# Altium PCB miniBackplane.PcbDoc (part 17 of 24) (continued)
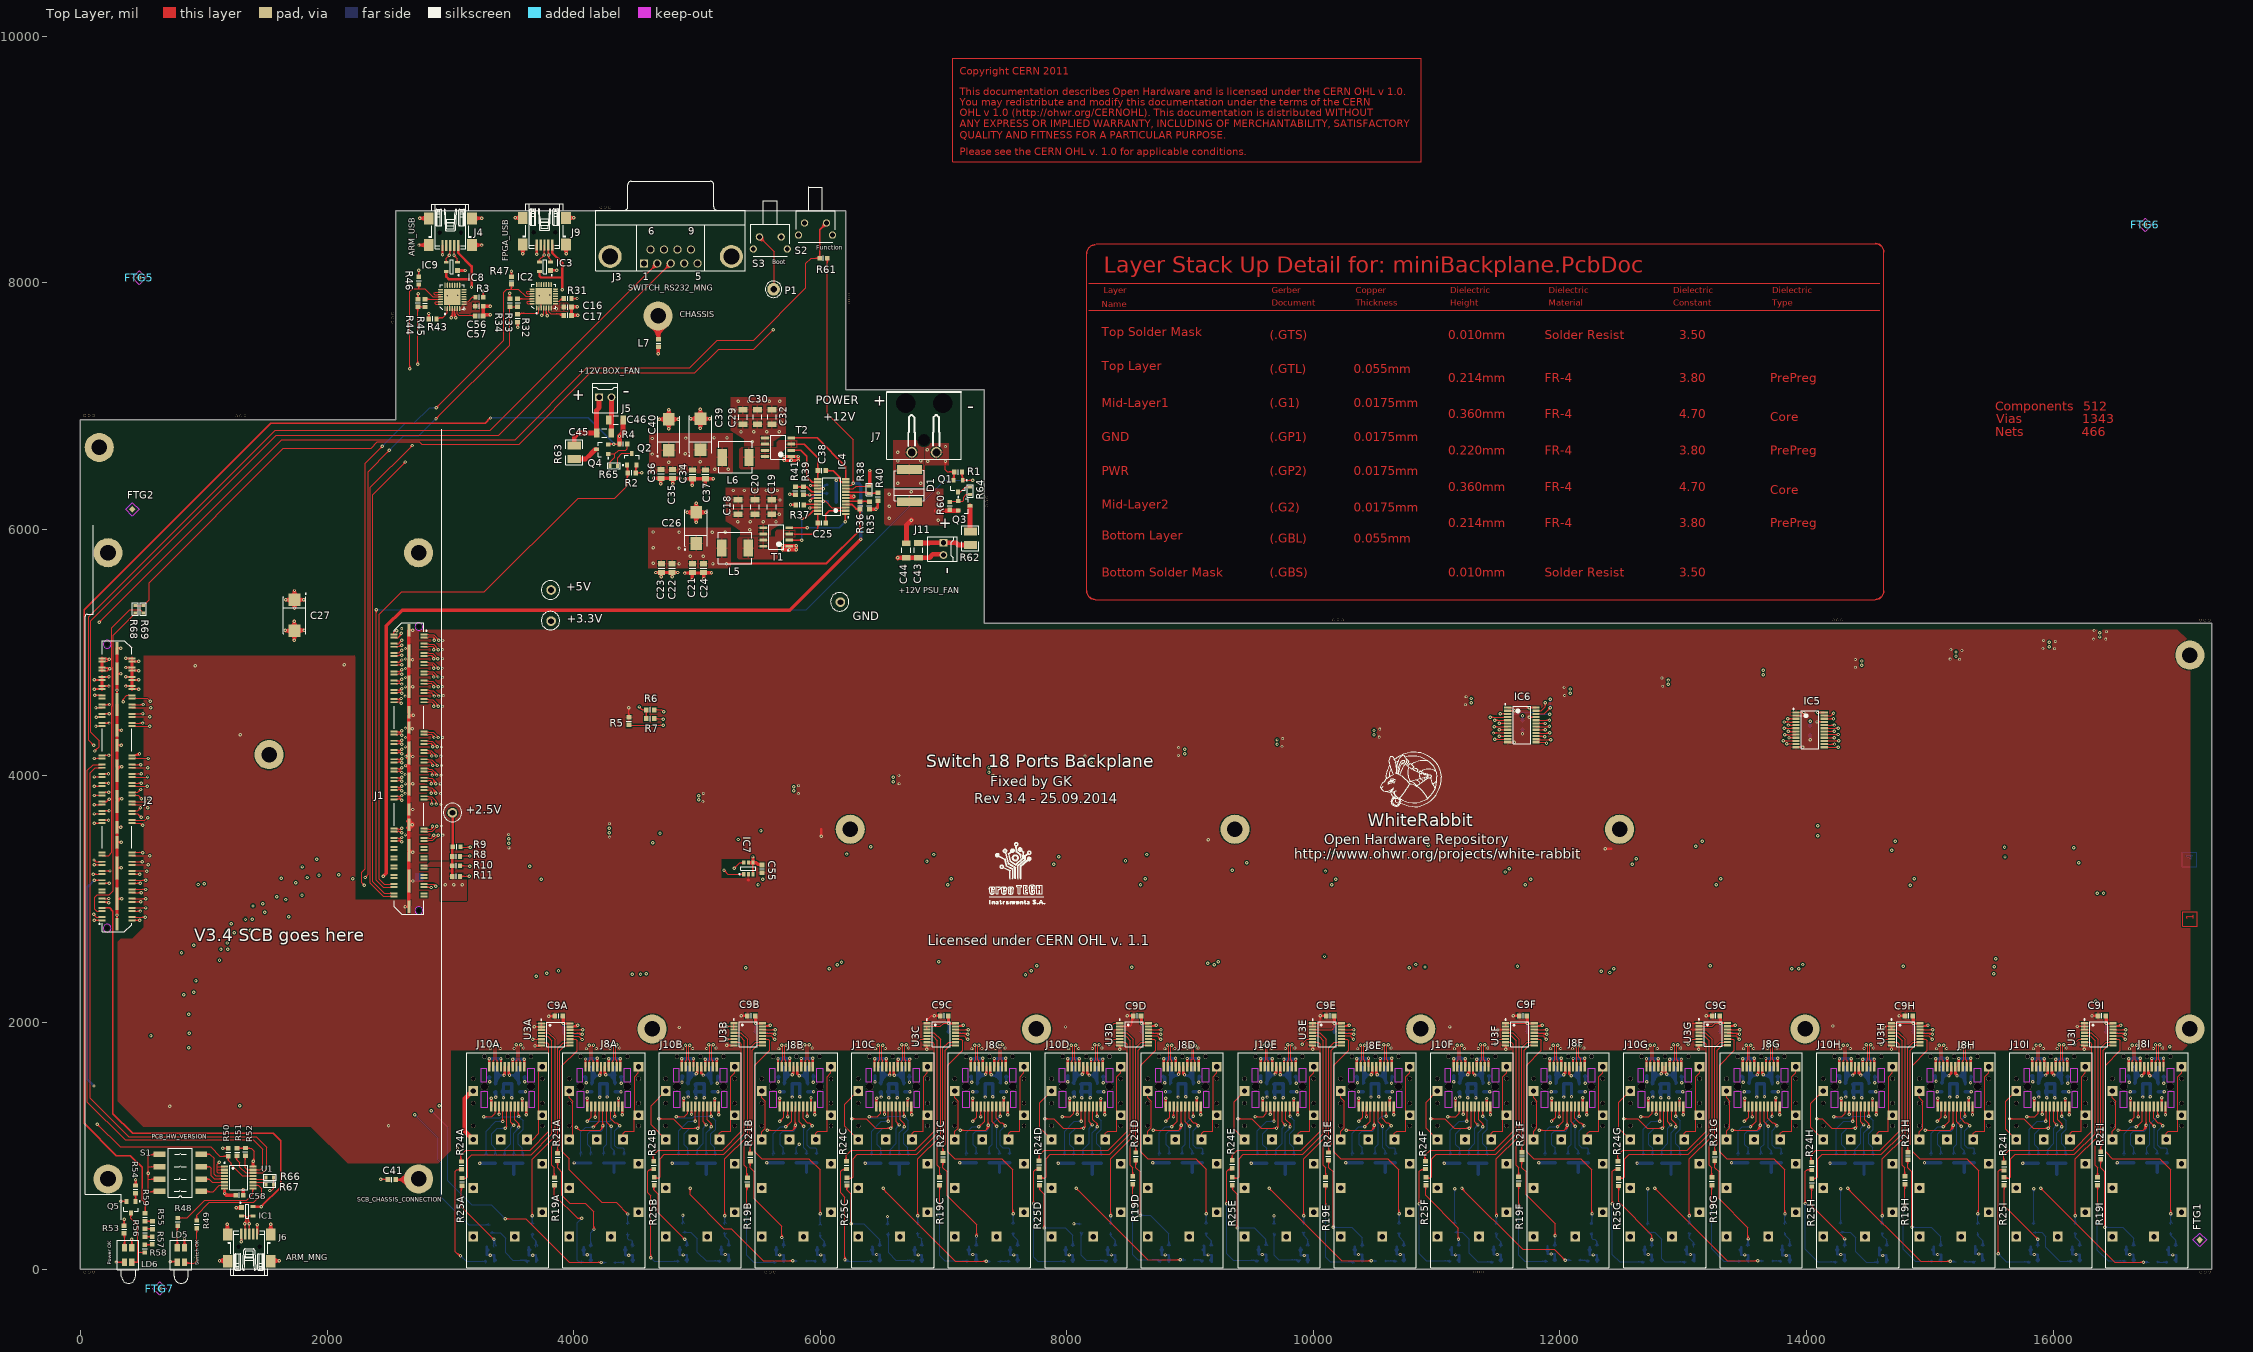
[diagram p0: Top Layer view]
## Nets (pads, with @x,y where several pads share a name; then routed paths per layer and width w, separated by ;. In a path a pad name is that pad's centre, name@x,y a point inside that pad or via, vN(x,y) a via of type N, cw(c..) or ccw(c..) an arc to the next point about the centre after c; other vN are vias at no path point) (continued)
MGTTX116_1_N: J1.72 J10A.19 | length 3320.5
  Top Layer w9.84: J1.72@2562.99,3472.49 2575.71,3472.49 2578.22,3475 ; v1(2605.71,3465.16) 2595.87,3475 ; v1(3345.98,1813.9) 3355.83,1804.06 ; J10A.19@3347.95,1667.64 3347.95,1688.9 3355.83,1696.77 3355.83,1804.06 ; 2578.22,3475 cw(c2571.79,3481.42) 2565.7,3474.68 ccw(c2571.79,3481.42) 2578.22,3475 ; 2578.22,3475 cw(c2578.22,3454.3) 2597.47,3461.9 ccw(c2578.22,3454.3) 2578.22,3475 ; 2578.22,3475 2595.87,3475 ; 2595.87,3475 ccw(c2600.47,3479.6) 2602.69,3473.48 cw(c2600.47,3479.6) 2595.87,3475 ; 2595.87,3475 cw(c2591.27,3470.4) 2597.38,3468.18 ccw(c2591.27,3470.4) 2595.87,3475 ; 3347.95,1682.63 ccw(c3359.83,1682.63) 3351.43,1674.23 cw(c3359.83,1682.63) 3347.95,1682.63 ; 3347.95,1682.63 cw(c3336.07,1682.63) 3344.47,1674.23 ccw(c3336.07,1682.63) 3347.95,1682.63 ; 3355.83,1804.06 ccw(c3351.23,1799.45) 3349.01,1805.57 cw(c3351.23,1799.45) 3355.83,1804.06 ; 3355.83,1804.06 cw(c3360.43,1808.66) 3354.31,1810.88 ccw(c3360.43,1808.66) 3355.83,1804.06 ; 2592.69,3475 cw(c2592.69,3460.01) 2606.62,3465.52 ccw(c2592.69,3460.01) 2592.69,3475
  Mid-Layer 2 w7.09: v1(2605.71,3465.16) 2615.55,3475 3299.03,3475 3355.83,3418.2 3355.83,1823.74 v1(3345.98,1813.9) v1@3345.98,1813.14 ; v1@2607.88,3467.44 ccw(c2618.2,3478.31) 2625.74,3465.35 ; v1@2611.75,3473.42 ccw(c2618.86,3483.16) 2624.89,3472.72 ; v1@2612.76,3472.58 ccw(c2624.99,3485.46) 2633.92,3470.1 ; v1@2615.6,3462.51 cw(c2629.43,3458.8) 2622.27,3471.21 ; v1@3343.33,1823.79 ccw(c3339.63,1837.62) 3352.03,1830.46 ; 3346.17,1833.92 ccw(c3359.14,1826.39) v1@3348.27,1816.07 ; 3350.93,1842.11 ccw(c3366.29,1833.18) v1@3353.41,1820.95 ; 3353.54,1833.08 ccw(c3363.99,1827.05) v1@3354.25,1819.94 ; v1@2602.92,3467.94 cw(c2619.97,3450.9) 2619.97,3475 ccw(c2619.97,3450.9) v1@2602.92,3467.94 ; v1@2607.94,3462.93 cw(c2637.07,3433.79) 2637.07,3475 ccw(c2637.07,3433.79) v1@2607.94,3462.93 ; v1@2612.95,3457.92 cw(c2654.18,3416.68) 2654.18,3475 ccw(c2654.18,3416.68) v1@2612.95,3457.92 ; v1@3338.75,1821.14 ccw(c3297.51,1862.37) 3355.83,1862.37 cw(c3297.51,1862.37) v1@3338.75,1821.14 ; v1@3343.76,1816.12 ccw(c3314.62,1845.26) 3355.83,1845.26 cw(c3314.62,1845.26) v1@3343.76,1816.12 ; v1@3348.77,1811.11 ccw(c3331.73,1828.15) 3355.83,1828.15 cw(c3331.73,1828.15) v1@3348.77,1811.11
MGTTX116_1_P: J1.70 J10A.18 | length 3373.7
  Top Layer w9.84: J1.70@2562.99,3497.49 2575.71,3497.49 ; 2575.71,3495.75 2580.71,3490.75 ; v1(2605.71,3500.59) 2595.87,3490.75 ; J10A.18@3379.45,1667.64 3379.45,1688.9 3371.57,1696.77 3371.57,1804.06 ; v1(3381.42,1813.9) 3371.57,1804.06 ; 2580.71,3490.75 ccw(c2569.43,3479.47) 2564.61,3494.68 cw(c2569.43,3479.47) 2580.71,3490.75 ; 2580.71,3490.75 ccw(c2580.71,3507.95) 2597.21,3503.09 cw(c2580.71,3507.95) 2580.71,3490.75 ; 2580.71,3490.75 2595.87,3490.75 ; 2595.87,3490.75 ccw(c2591.27,3495.35) 2597.38,3497.57 cw(c2591.27,3495.35) 2595.87,3490.75 ; 2595.87,3490.75 cw(c2600.47,3486.15) 2602.69,3492.26 ccw(c2600.47,3486.15) 2595.87,3490.75 ; 3371.58,1804.06 ccw(c3366.97,1808.66) 3373.09,1810.88 cw(c3366.97,1808.66) 3371.58,1804.06 ; 3371.58,1804.06 cw(c3376.18,1799.45) 3378.4,1805.57 ccw(c3376.18,1799.45) 3371.58,1804.06 ; 3379.45,1682.63 ccw(c3391.33,1682.63) 3382.93,1674.23 cw(c3391.33,1682.63) 3379.45,1682.63 ; 3379.45,1682.63 cw(c3367.57,1682.63) 3375.97,1674.23 ccw(c3367.57,1682.63) 3379.45,1682.63 ; 2593.87,3490.75 ccw(c2593.87,3504.08) 2606.65,3500.31 cw(c2593.87,3504.08) 2593.87,3490.75
  Mid-Layer 2 w7.09: v1(2605.71,3500.59) 2615.55,3490.75 3304.53,3490.75 3371.57,3423.7 3371.57,1823.74 v1(3381.42,1813.9) ; v1@2607.88,3498.31 cw(c2618.2,3487.43) 2625.74,3500.4 ; v1@2611.75,3492.33 cw(c2618.86,3482.59) 2624.89,3493.03 ; v1@2612.76,3493.17 cw(c2624.99,3480.29) 2633.92,3495.65 ; v1@2615.6,3503.24 ccw(c2629.43,3506.95) 2622.27,3494.54 ; v1@3373.15,1819.94 ccw(c3363.42,1827.05) 3373.86,1833.08 ; v1@3374,1820.95 ccw(c3361.11,1833.18) 3376.48,1842.11 ; 3375.37,1830.46 ccw(c3387.77,1837.62) v1@3384.07,1823.79 ; v1@3379.13,1816.07 ccw(c3368.26,1826.39) 3381.23,1833.92 ; v1(3381.42,1813.9) 3373.03,1822.28 3373.03,1823.01 3372.3,1823.74 v1(3381.42,1813.9) ; v1@2602.92,3497.81 ccw(c2619.97,3514.85) 2619.97,3490.75 cw(c2619.97,3514.85) v1@2602.92,3497.81 ; v1@2607.94,3502.82 ccw(c2637.07,3531.96) 2637.07,3490.75 cw(c2637.07,3531.96) v1@2607.94,3502.82 ; v1@2612.95,3507.83 ccw(c2654.18,3549.07) 2654.18,3490.75 cw(c2654.18,3549.07) v1@2612.95,3507.83 ; 3371.57,1828.15 ccw(c3395.67,1828.15) 3378.63,1811.11 cw(c3395.67,1828.15) 3371.57,1828.15 ; 3371.57,1845.26 ccw(c3412.78,1845.26) 3383.64,1816.12 cw(c3412.78,1845.26) 3371.57,1845.26 ; 3371.57,1862.37 ccw(c3429.89,1862.37) 3388.66,1821.14 cw(c3429.89,1862.37) 3371.57,1862.37
MGTTX116_2_N: J1.76
MGTTX116_2_P: J1.74
MGTTX116_3_N: J1.80
MGTTX116_3_P: J1.78
NetC3A_2: C3A.2 C4A.1 J8A.16 L1A.1 | length 1109.8
  Top Layer w19.68: v1@4211.74,1574.03 4222.44,1584.73 J8A.16@4222.44,1641.22 ; v1@4216.42,1574.17 cw(c4238.14,1579.99) 4218.66,1591.23 ; v1@4209.83,1575.93 ccw(c4179.39,1606.38) 4222.44,1606.38 cw(c4179.39,1606.38) v1@4209.83,1575.93
  Bottom Layer w7.87: C3A.2@4144.67,1645.46 C3A.2@4148.17,1641.96
  Bottom Layer w19.68: C3A.2@4141.22,1637.79 cw(c4127.93,1614.76) 4153.62,1621.64 ; L1A.1@4148.17,1501.96 C3A.2@4148.17,1641.96 ; 4154.15,1526.83 ccw(c4122.55,1545.56) C4A.1@4155.62,1561.55 ; 4154.37,1615.38 cw(c4129.88,1599.05) C4A.1@4155.83,1585.15 ; C4A.1@4157.5,1566.96 v1@4204.67,1566.96 ; 4198,1569.1 cw(c4204.93,1557.1) v1@4210.91,1569.6 ; L1A.1@4144.24,1510.75 ccw(c4132.86,1530.44) 4154.83,1524.56 ; L1A.1@4144.24,1510.75 ccw(c4132.86,1530.44) 4154.83,1524.56 ; L1A.1@4144.24,1510.75 ccw(c4132.86,1530.44) 4154.83,1524.56 ; 4148.17,1522.94 ccw(c4167.18,1522.94) 4153.74,1509.5 cw(c4167.18,1522.94) 4148.17,1522.94 ; 4148.17,1522.94 cw(c4129.16,1522.94) 4142.61,1509.5 ccw(c4129.16,1522.94) 4148.17,1522.94 ; C3A.2@4148.17,1641.96 ccw(c4219.76,1641.96) 4172.52,1588.17 cw(c4219.76,1641.96) C3A.2@4148.17,1641.96 ; C3A.2@4139.39,1639.2 cw(c4118.18,1618) 4148.17,1618 ccw(c4118.18,1618) C3A.2@4139.39,1639.2 ; L1A.1@4148.17,1499.7 cw(c4230.39,1499.7) 4172.94,1558.52 ccw(c4230.39,1499.7) L1A.1@4148.17,1499.7 ; C4A.1@4148.17,1546.46 cw(c4184.72,1546.46) 4159.18,1572.6 ccw(c4184.72,1546.46) C4A.1@4148.17,1546.46 ; C4A.1@4148.17,1598.46 ccw(c4181.56,1598.46) 4159.52,1573.38 cw(c4181.56,1598.46) C4A.1@4148.17,1598.46 ; C4A.1@4173.03,1558.6 cw(c4193.2,1538.43) 4193.2,1566.96 ccw(c4193.2,1538.43) C4A.1@4173.03,1558.6 ; C4A.1@4173.03,1573.92 ccw(c4189.82,1590.71) 4189.82,1566.96 cw(c4189.82,1590.71) C4A.1@4173.03,1573.92 ; 4188.17,1566.96 ccw(c4188.17,1597.6) 4209.83,1575.93 cw(c4188.17,1597.6) 4188.17,1566.96
  other v1: 4212.61,1573.15
NetC3B_2: C3B.2 C4B.1 J8B.16 L1B.1 | length 1246.4
  Top Layer w19.68: v1(5775.01,1577.5) 5783.9,1586.39 J8B.16@5783.9,1642.87 ; v1@5778.81,1578.52 cw(c5800.54,1584.34) 5781.06,1595.58 ; v1@5772.23,1580.28 ccw(c5744.05,1608.46) 5783.9,1608.46 cw(c5744.05,1608.46) v1@5772.23,1580.28
  Bottom Layer w19.68: L1B.1@5707.62,1503.61 C3B.2@5707.62,1633.61 ; 5711.03,1555.39 cw(c5721.09,1546.95) C4B.1@5727.45,1558.44 ; 5711.62,1618.69 cw(c5742.18,1626.87) C3B.2@5714.78,1642.69 ; 5714.87,1607.36 cw(c5703.09,1590.96) C4B.1@5722.36,1584.93 ; 5715.68,1531.33 ccw(c5688.48,1554.12) C4B.1@5722.36,1564.69 ; C4B.1@5727.07,1568.61 5735.96,1577.5 v1(5775.01,1577.5) ; L1B.1@5705.69,1512.4 ccw(c5696.55,1528.24) 5714.22,1523.51 ; L1B.1@5705.69,1512.4 ccw(c5696.55,1528.24) 5714.22,1523.51 ; L1B.1@5705.69,1512.4 ccw(c5696.55,1528.24) 5714.22,1523.51 ; C3B.2@5707.62,1633.61 ccw(c5752.29,1633.61) 5736.52,1591.82 cw(c5752.29,1633.61) C3B.2@5707.62,1633.61 ; 5714.48,1524.49 ccw(c5733.53,1519.38) L1B.1@5716.45,1509.52 ; 5714.48,1524.49 ccw(c5733.53,1519.38) L1B.1@5716.45,1509.52 ; 5714.48,1524.49 ccw(c5733.53,1519.38) L1B.1@5716.45,1509.52 ; 5759.35,1575.89 cw(c5764.02,1558.46) v1@5773.04,1574.09 ; 5759.35,1575.89 cw(c5764.02,1558.46) v1@5773.04,1574.09 ; 5759.35,1575.89 cw(c5764.02,1558.46) v1@5773.04,1574.09 ; C3B.2@5700.85,1640.85 cw(c5684.49,1624.5) 5707.62,1624.5 ccw(c5684.49,1624.5) C3B.2@5700.85,1640.85 ; L1B.1@5707.62,1498.9 cw(c5781.08,1498.9) 5738.91,1559.05 ccw(c5781.08,1498.9) L1B.1@5707.62,1498.9 ; 5707.62,1529.44 ccw(c5733.49,1529.44) 5715.2,1511.15 cw(c5733.49,1529.44) 5707.62,1529.44 ; 5707.62,1536.75 cw(c5754.55,1536.75) 5727.61,1575.17 ccw(c5754.55,1536.75) 5707.62,1536.75 ; 5707.62,1574.59 cw(c5728.01,1574.59) 5716.31,1591.28 ccw(c5728.01,1574.59) 5707.62,1574.59 ; 5707.62,1576.67 ccw(c5730.8,1576.67) 5722.61,1554.99 cw(c5730.8,1576.67) 5707.62,1576.67 ; 5707.62,1605.14 ccw(c5741.54,1605.14) 5729.56,1573.41 cw(c5741.54,1605.14) 5707.62,1605.14 ; 5707.62,1626.97 cw(c5727.26,1626.97) 5713.37,1640.85 ccw(c5727.26,1626.97) 5707.62,1626.97 ; C4B.1@5740.35,1567.15 cw(c5765.34,1542.15) 5765.34,1577.5 ccw(c5765.34,1542.15) C4B.1@5740.35,1567.15
NetC3C_2: C3C.2 C4C.1 J8C.16 L1C.1 | length 1246.3
  Top Layer w19.68: v1(7341.25,1578.75) 7348.9,1586.39 J8C.16@7348.9,1642.88 ; v1@7344.99,1579.99 cw(c7363.18,1586.01) 7346.59,1595.59 ; v1@7338.47,1581.53 ccw(c7313.29,1606.71) 7348.9,1606.71 cw(c7313.29,1606.71) v1@7338.47,1581.53
  Bottom Layer w19.68: L1C.1@7272.62,1503.62 C3C.2@7272.62,1633.62 ; 7276.62,1618.69 cw(c7307.18,1626.88) C3C.2@7279.78,1642.7 ; 7279.7,1607.93 cw(c7267.56,1592.79) C4C.1@7285.61,1585.67 ; 7280.12,1530.76 ccw(c7252.16,1552.43) C4C.1@7285.48,1564.29 ; C4C.1@7294,1568.62 7331.13,1568.62 v1(7341.25,1578.75) ; 7323.17,1572.7 cw(c7334.41,1553.22) v1@7340.23,1574.95 ; L1C.1@7270.69,1512.41 ccw(c7261.86,1527.71) L1C.1@7278.93,1523.14 ; L1C.1@7270.69,1512.41 ccw(c7261.86,1527.71) L1C.1@7278.93,1523.14 ; L1C.1@7270.69,1512.41 ccw(c7261.86,1527.71) L1C.1@7278.93,1523.14 ; C3C.2@7272.62,1633.62 ccw(c7318.51,1633.62) 7300.04,1591.61 cw(c7318.51,1633.62) C3C.2@7272.62,1633.62 ; 7279.42,1524.97 ccw(c7299.07,1519.7) L1C.1@7281.45,1509.53 ; 7279.42,1524.97 ccw(c7299.07,1519.7) L1C.1@7281.45,1509.53 ; 7279.42,1524.97 ccw(c7299.07,1519.7) L1C.1@7281.45,1509.53 ; C3C.2@7265.85,1640.86 cw(c7249.49,1624.5) 7272.62,1624.5 ccw(c7249.49,1624.5) C3C.2@7265.85,1640.86 ; L1C.1@7272.62,1499.61 cw(c7347.58,1499.61) 7302.23,1559.3 ccw(c7347.58,1499.61) L1C.1@7272.62,1499.61 ; 7272.62,1529.45 ccw(c7298.49,1529.45) 7280.2,1511.16 cw(c7298.49,1529.45) 7272.62,1529.45 ; 7272.62,1539.29 cw(c7317.44,1539.29) 7290.33,1574.97 ccw(c7317.44,1539.29) 7272.62,1539.29 ; 7272.62,1573.31 ccw(c7291.99,1573.31) 7284.2,1555.57 cw(c7291.99,1573.31) 7272.62,1573.31 ; 7272.62,1578.97 cw(c7287.29,1578.97) 7278.42,1590.65 ccw(c7287.29,1578.97) 7272.62,1578.97 ; 7272.62,1603.46 ccw(c7305.25,1603.46) 7292.12,1573.59 cw(c7305.25,1603.46) 7272.62,1603.46 ; 7272.62,1626.98 cw(c7292.26,1626.98) 7278.37,1640.86 ccw(c7292.26,1626.98) 7272.62,1626.98 ; C4C.1@7303.34,1560.27 cw(c7323.51,1540.09) 7323.51,1568.62 ccw(c7323.51,1540.09) C4C.1@7303.34,1560.27 ; C4C.1@7303.34,1575.58 ccw(c7320.13,1592.37) 7320.13,1568.62 cw(c7320.13,1592.37) C4C.1@7303.34,1575.58 ; C4C.1@7307.3,1568.62 ccw(c7307.3,1612.7) 7338.47,1581.53 cw(c7307.3,1612.7) C4C.1@7307.3,1568.62
NetC3D_2: C3D.2 C4D.1 J8D.16 L1D.1 | length 1194.6
  Top Layer w19.68: v1(8906.25,1578.75) 8913.9,1586.39 J8D.16@8913.9,1642.88 ; v1@8909.99,1579.99 cw(c8928.18,1586.01) 8911.59,1595.59 ; v1@8903.47,1581.53 ccw(c8878.29,1606.71) 8913.9,1606.71 cw(c8878.29,1606.71) v1@8903.47,1581.53
  Bottom Layer w19.68: 8835.56,1577.19 ccw(c8859.2,1583.52) C4D.1@8858.38,1559.07 ; L1D.1@8837.62,1503.62 C3D.2@8837.62,1633.62 ; 8841.62,1618.69 cw(c8872.18,1626.88) C3D.2@8844.78,1642.7 ; 8844.47,1608.5 cw(c8831.88,1594.46) C4D.1@8848.9,1586.36 ; 8844.57,1530.1 ccw(c8815.64,1550.71) C4D.1@8848.62,1563.9 ; C4D.1@8856.99,1568.62 8896.13,1568.62 v1(8906.25,1578.75) ; 8888.17,1572.7 cw(c8899.41,1553.22) v1@8905.23,1574.95 ; C3D.2@8837.62,1633.62 ccw(c8885.01,1633.62) 8863.57,1591.36 cw(c8885.01,1633.62) C3D.2@8837.62,1633.62 ; 8844.36,1525.41 ccw(c8864.57,1519.99) L1D.1@8846.45,1509.53 ; 8844.36,1525.41 ccw(c8864.57,1519.99) L1D.1@8846.45,1509.53 ; 8844.36,1525.41 ccw(c8864.57,1519.99) L1D.1@8846.45,1509.53 ; C3D.2@8830.85,1640.86 cw(c8814.49,1624.5) 8837.62,1624.5 ccw(c8814.49,1624.5) C3D.2@8830.85,1640.86 ; L1D.1@8837.62,1500.27 cw(c8914.52,1500.27) 8865.57,1559.57 ccw(c8914.52,1500.27) L1D.1@8837.62,1500.27 ; 8837.62,1529.45 ccw(c8863.49,1529.45) 8845.2,1511.16 cw(c8863.49,1529.45) 8837.62,1529.45 ; 8837.62,1542.04 cw(c8880.04,1542.04) 8853.04,1574.75 ccw(c8880.04,1542.04) 8837.62,1542.04 ; 8837.62,1569.51 ccw(c8852.49,1569.51) 8845.77,1556.24 cw(c8852.49,1569.51) 8837.62,1569.51 ; 8837.62,1583.81 cw(c8845.56,1583.81) 8840.51,1589.93 ccw(c8845.56,1583.81) 8837.62,1583.81 ; 8837.62,1601.56 ccw(c8868.75,1601.56) 8854.67,1573.8 cw(c8868.75,1601.56) 8837.62,1601.56 ; 8837.62,1626.98 cw(c8857.26,1626.98) 8843.37,1640.86 ccw(c8857.26,1626.98) 8837.62,1626.98 ; C4D.1@8866.33,1560.27 cw(c8886.51,1540.09) 8886.51,1568.62 ccw(c8886.51,1540.09) C4D.1@8866.33,1560.27 ; C4D.1@8866.33,1575.58 ccw(c8883.12,1592.37) 8883.12,1568.62 cw(c8883.12,1592.37) C4D.1@8866.33,1575.58 ; C4D.1@8872.3,1568.62 ccw(c8872.3,1612.7) 8903.47,1581.53 cw(c8872.3,1612.7) C4D.1@8872.3,1568.62
NetC3E_2: C3E.2 C4E.1 J8E.16 L1E.1 | length 1049.5
  Top Layer w19.68: v1(10468.91,1574.81) 10467.31,1574.81 10478.9,1586.39 J8E.16@10478.9,1642.88 ; v1@10472.72,1575.83 cw(c10494.44,1581.65) 10474.96,1592.89 ; v1@10466.13,1577.59 ccw(c10435.3,1608.42) 10478.9,1608.42 cw(c10435.3,1608.42) v1@10466.13,1577.59
  Bottom Layer w7.87: C4E.1@10421.67,1566.94 C4E.1@10429.54,1574.81
  Bottom Layer w19.68: L1E.1@10402.62,1503.62 C3E.2@10402.62,1633.62 ; 10406.62,1618.69 cw(c10437.18,1626.88) C3E.2@10409.78,1642.7 ; 10409.05,1529.32 ccw(c10378.88,1548.94) C4E.1@10411.77,1563.53 ; 10409.19,1609.09 cw(c10396.05,1596.03) C4E.1@10412.22,1586.99 ; C4E.1@10429.54,1574.81 v1(10468.91,1574.81) ; C3E.2@10402.62,1633.62 ccw(c10451.85,1633.62) 10427.11,1591.06 cw(c10451.85,1633.62) C3E.2@10402.62,1633.62 ; 10409.31,1525.81 ccw(c10430.03,1520.25) L1E.1@10411.45,1509.53 ; 10409.31,1525.81 ccw(c10430.03,1520.25) L1E.1@10411.45,1509.53 ; 10409.31,1525.81 ccw(c10430.03,1520.25) L1E.1@10411.45,1509.53 ; 10447.81,1574.81 ccw(c10447.81,1548.67) 10429.33,1567.16 cw(c10447.81,1548.67) 10447.81,1574.81 ; 10447.81,1574.81 cw(c10447.81,1600.95) 10429.33,1582.47 ccw(c10447.81,1600.95) 10447.81,1574.81 ; C3E.2@10395.85,1640.86 cw(c10379.49,1624.5) 10402.62,1624.5 ccw(c10379.49,1624.5) C3E.2@10395.85,1640.86 ; L1E.1@10402.62,1500.86 cw(c10481.99,1500.86) 10428.91,1559.87 ccw(c10481.99,1500.86) L1E.1@10402.62,1500.86 ; 10402.62,1529.45 ccw(c10428.49,1529.45) 10410.2,1511.16 cw(c10428.49,1529.45) 10402.62,1529.45 ; 10402.62,1545.05 cw(c10442.24,1545.05) 10415.75,1574.51 ccw(c10442.24,1545.05) 10402.62,1545.05 ; C4E.1@10402.62,1565.2 ccw(c10412.08,1565.2) 10407.33,1557.02 cw(c10412.08,1565.2) C4E.1@10402.62,1565.2 ; C4E.1@10402.62,1599.41 ccw(c10431.96,1599.41) 10417.22,1574.04 cw(c10431.96,1599.41) C4E.1@10402.62,1599.41 ; 10402.62,1626.98 cw(c10422.26,1626.98) 10408.37,1640.86 ccw(c10422.26,1626.98) 10402.62,1626.98
NetC3F_2: C3F.2 C4F.1 J8F.16 L1F.1 | length 1335.2
  Top Layer w19.68: v1(12031.88,1574.81) 12043.46,1586.39 J8F.16@12043.46,1642.88 ; v1@12035.68,1575.83 cw(c12057.41,1581.65) 12037.93,1592.89 ; v1@12029.1,1577.59 ccw(c11994.41,1612.28) 12043.46,1612.28 cw(c11994.41,1612.28) v1@12029.1,1577.59
  Bottom Layer w7.87: L1F.1@11965.69,1507.13 L1F.1@11969.2,1503.62
  Bottom Layer w19.68: C3F.2@11962.25,1639.45 cw(c11953.18,1623.75) C3F.2@11970.7,1628.44 ; 11963.23,1578.97 ccw(c11989.21,1585.93) C4F.1@11987.65,1559.08 ; 11963.26,1570.65 cw(c11989.24,1563.69) C4F.1@11987.64,1590.54 ; L1F.1@11965.69,1507.13 C3F.2@11965.69,1647.13 ; C4F.1@11969.2,1568.62 v1@12025.69,1568.62 ; 11971.89,1624 cw(c11995.68,1630.38) C3F.2@11974.35,1642.7 ; 11973.16,1533.16 ccw(c11949.26,1552.78) C4F.1@11978.08,1564 ; 11973.14,1616.92 cw(c11948.49,1597) C4F.1@11978.06,1585.6 ; 12017.27,1570.76 cw(c12024.19,1558.76) v1@12030.18,1571.26 ; 11965.69,1625.74 ccw(c11944.31,1625.74) 11959.43,1640.86 cw(c11944.31,1625.74) 11965.69,1625.74 ; 11965.69,1625.74 cw(c11987.08,1625.74) 11971.96,1640.86 ccw(c11987.08,1625.74) 11965.69,1625.74 ; 11973.18,1531.06 ccw(c12000.59,1523.71) L1F.1@11976.02,1509.53 ; 11973.18,1531.06 ccw(c12000.59,1523.71) L1F.1@11976.02,1509.53 ; 11973.18,1531.06 ccw(c12000.59,1523.71) L1F.1@11976.02,1509.53 ; L1F.1@11965.69,1503.11 cw(c12034.59,1503.11) 11994.47,1559.12 ccw(c12034.59,1503.11) L1F.1@11965.69,1503.11 ; 11965.69,1533.06 ccw(c11996.67,1533.06) 11974.76,1511.16 cw(c11996.67,1533.06) 11965.69,1533.06 ; 11965.69,1541.42 cw(c12007.15,1541.42) 11983.01,1575.12 ccw(c12007.15,1541.42) 11965.69,1541.42 ; 11965.69,1569.77 ccw(c11979.49,1569.77) 11971.37,1558.62 cw(c11979.49,1569.77) 11965.69,1569.77 ; 11965.69,1579.74 cw(c11979.7,1579.74) 11971.54,1591.13 ccw(c11979.7,1579.74) 11965.69,1579.74 ; 11965.69,1608.45 ccw(c12007.63,1608.45) 11982.95,1574.54 cw(c12007.63,1608.45) 11965.69,1608.45 ; C3F.2@11965.69,1647.13 ccw(c12035.78,1647.12) 11994.54,1590.45 cw(c12035.78,1647.12) C3F.2@11965.69,1647.13 ; C4F.1@11995.82,1560.27 cw(c12015.99,1540.09) 12015.99,1568.62 ccw(c12015.99,1540.09) C4F.1@11995.82,1560.27 ; C4F.1@11995.82,1575.58 ccw(c12012.61,1592.37) 12012.61,1568.62 cw(c12012.61,1592.37) C4F.1@11995.82,1575.58 ; C4F.1@12007.44,1568.62 ccw(c12007.44,1599.26) 12029.1,1577.59 cw(c12007.44,1599.26) C4F.1@12007.44,1568.62
NetC3G_2: C3G.2 C4G.1 J8G.16 L1G.1 | length 1100.4
  Top Layer w19.68: v1(13602.34,1574.81) 13596.88,1574.81 13608.46,1586.39 J8G.16@13608.46,1642.88 ; v1@13605.88,1576.53 cw(c13618.15,1582.51) 13606.33,1589.33 ; v1@13599.55,1577.59 ccw(c13578.04,1599.11) 13608.46,1599.11 cw(c13578.04,1599.11) v1@13599.55,1577.59
  Bottom Layer w7.87: C3G.2@13530.69,1647.13 C3G.2@13534.2,1643.62
  Bottom Layer w19.68: C3G.2@13527.25,1639.45 cw(c13513.95,1616.42) 13539.64,1623.3 ; L1G.1@13534.2,1503.62 C3G.2@13534.2,1643.62 ; 13540.11,1528.37 ccw(c13508.31,1547) C4G.1@13541.43,1563.17 ; 13540.33,1617.18 cw(c13515.63,1600.93) C4G.1@13541.64,1586.85 ; C4G.1@13547.22,1568.62 13596.15,1568.62 v1(13602.34,1574.81) ; 13587.72,1570.76 cw(c13594.65,1558.76) v1@13600.64,1571.26 ; L1G.1@13530.26,1512.41 ccw(c13518.92,1532.06) 13540.83,1526.19 ; L1G.1@13530.26,1512.41 ccw(c13518.92,1532.06) 13540.83,1526.19 ; L1G.1@13530.26,1512.41 ccw(c13518.92,1532.06) 13540.83,1526.19 ; 13534.2,1524.6 ccw(c13553.21,1524.6) 13539.76,1511.16 cw(c13553.21,1524.6) 13534.2,1524.6 ; 13534.2,1524.6 cw(c13515.19,1524.6) 13528.63,1511.16 ccw(c13515.19,1524.6) 13534.2,1524.6 ; C3G.2@13534.2,1643.62 ccw(c13606.25,1643.62) 13558.35,1589.79 cw(c13606.25,1643.62) C3G.2@13534.2,1643.62 ; C3G.2@13525.41,1640.86 cw(c13504.21,1619.66) 13534.2,1619.66 ccw(c13504.21,1619.66) C3G.2@13525.41,1640.86 ; L1G.1@13534.2,1501.43 cw(c13616.82,1501.43) 13558.77,1560.22 ccw(c13616.82,1501.43) L1G.1@13534.2,1501.43 ; C4G.1@13534.2,1548.53 cw(c13570.31,1548.53) 13544.93,1574.22 ccw(c13570.31,1548.53) C4G.1@13534.2,1548.53 ; C4G.1@13534.2,1599.76 ccw(c13567.22,1599.76) 13545.27,1575.08 cw(c13567.22,1599.76) C4G.1@13534.2,1599.76 ; C4G.1@13558.81,1560.27 cw(c13578.99,1540.09) 13578.99,1568.62 ccw(c13578.99,1540.09) C4G.1@13558.81,1560.27 ; C4G.1@13558.81,1575.58 ccw(c13575.6,1592.37) 13575.6,1568.62 cw(c13575.6,1592.37) C4G.1@13558.81,1575.58 ; 13577.89,1568.62 ccw(c13577.89,1599.26) 13599.55,1577.59 cw(c13577.89,1599.26) 13577.89,1568.62
NetC3H_2: C3H.2 C4H.1 J8H.16 L1H.1 | length 903.1
  Top Layer w19.68: v1(15155.69,1568.62) 15173.46,1586.39 J8H.16@15173.46,1642.88
  Bottom Layer w7.87: C3H.2@15095.69,1647.13 C3H.2@15099.2,1643.62
  Bottom Layer w19.68: C3H.2@15092.25,1639.45 cw(c15078.95,1616.42) 15104.64,1623.3 ; L1H.1@15099.2,1503.62 C4H.1@15099.2,1568.62 ; C4H.1@15104.79,1566.41 cw(c15077.58,1550.57) 15104.85,1534.83 ; 15105.01,1618.97 cw(c15083.78,1605.21) C4H.1@15105.05,1591.5 ; v1(15155.69,1568.62) C4H.1@15099.2,1568.62 ; 15099.2,1524.6 ccw(c15118.21,1524.6) 15104.76,1511.16 cw(c15118.21,1524.6) 15099.2,1524.6 ; 15099.2,1524.6 cw(c15080.19,1524.6) 15093.63,1511.16 ccw(c15080.19,1524.6) 15099.2,1524.6 ; C4H.1@15099.2,1568.62 C3H.2@15099.2,1643.62 ; C3H.2@15099.2,1643.62 ccw(c15166.46,1643.62) 15121.4,1593.68 cw(c15166.46,1643.62) C3H.2@15099.2,1643.62 ; 15103.76,1526.65 ccw(c15125.56,1520.81) L1H.1@15106.02,1509.53 ; 15103.76,1526.65 ccw(c15125.56,1520.81) L1H.1@15106.02,1509.53 ; 15103.76,1526.65 ccw(c15125.56,1520.81) L1H.1@15106.02,1509.53 ; 15141.42,1570.41 ccw(c15145.62,1586.07) v1@15153.72,1572.03 ; 15141.42,1570.41 ccw(c15145.62,1586.07) v1@15153.72,1572.03 ; 15141.42,1570.41 ccw(c15145.62,1586.07) v1@15153.72,1572.03 ; C3H.2@15090.41,1640.86 cw(c15069.21,1619.66) 15099.2,1619.66 ccw(c15069.21,1619.66) C3H.2@15090.41,1640.86 ; L1H.1@15099.2,1509.62 cw(c15176.39,1509.62) 15121.81,1564.2 ccw(c15176.39,1509.62) L1H.1@15099.2,1509.62 ; C4H.1@15099.2,1557.14 cw(c15128.86,1557.14) 15107.89,1578.12 ccw(c15128.86,1557.14) C4H.1@15099.2,1557.14 ; C4H.1@15121.81,1579.51 ccw(c15148.1,1605.81) 15148.1,1568.62 cw(c15148.1,1605.81) C4H.1@15121.81,1579.51
NetC3I_2: C3I.2 C4I.1 J8I.16 L1I.1 | length 945.6
  Top Layer w19.68: v1(16720.69,1568.62) 16738.46,1586.39 J8I.16@16738.46,1642.88
  Bottom Layer w7.87: C3I.2@16660.69,1647.13 C3I.2@16664.2,1643.62
  Bottom Layer w19.68: C3I.2@16657.25,1639.45 cw(c16643.95,1616.42) 16669.64,1623.3 ; L1I.1@16664.2,1503.62 C3I.2@16664.2,1643.62 ; 16670.19,1530.25 ccw(c16634.46,1550.88) C4I.1@16672.23,1567.5 ; 16670.68,1617.49 cw(c16651.59,1602.68) C4I.1@16672.69,1590.91 ; C4I.1@16682.14,1568.62 v1(16720.69,1568.62) ; L1I.1@16660.26,1512.41 ccw(c16649.34,1531.32) 16670.43,1525.67 ; L1I.1@16660.26,1512.41 ccw(c16649.34,1531.32) 16670.43,1525.67 ; L1I.1@16660.26,1512.41 ccw(c16649.34,1531.32) 16670.43,1525.67 ; 16664.2,1524.6 ccw(c16683.21,1524.6) 16669.76,1511.16 cw(c16683.21,1524.6) 16664.2,1524.6 ; 16664.2,1524.6 cw(c16645.19,1524.6) 16658.63,1511.16 ccw(c16645.19,1524.6) 16664.2,1524.6 ; C3I.2@16664.2,1643.62 ccw(c16726.18,1643.62) 16688.69,1594.26 cw(c16726.18,1643.62) C3I.2@16664.2,1643.62 ; C3I.2@16655.41,1640.86 cw(c16634.21,1619.66) 16664.2,1619.66 ccw(c16634.21,1619.66) C3I.2@16655.41,1640.86 ; L1I.1@16664.2,1502.4 cw(c16751.6,1502.4) 16689.8,1564.2 ccw(c16751.6,1502.4) L1I.1@16664.2,1502.4 ; 16664.2,1549.92 cw(c16704.08,1549.92) 16675.88,1578.12 ccw(c16704.08,1549.92) 16664.2,1549.92 ; C4I.1@16664.2,1564.28 ccw(c16665.92,1564.28) 16664.88,1562.91 cw(c16665.92,1564.28) C4I.1@16664.2,1564.28 ; C4I.1@16664.2,1603.95 ccw(c16696.05,1603.95) 16676.78,1578.58 cw(c16696.05,1603.95) C4I.1@16664.2,1603.95 ; C4I.1@16689.8,1579.51 ccw(c16716.09,1605.81) 16716.09,1568.62 cw(c16716.09,1605.81) C4I.1@16689.8,1579.51
NetC6A_1: C6A.1 C8A.2 J8A.15 L2A.1 | length 1139.2
  Top Layer w19.68: J8A.15@4253.94,1641.22 4253.94,1582.69 v1(4261.8,1574.83) ; 4256.27,1592.01 cw(c4238.91,1581.99) v1@4258.05,1576 ; J8A.15@4253.94,1603.32 ccw(c4290.3,1603.32) 4264.59,1577.61 cw(c4290.3,1603.32) J8A.15@4253.94,1603.32
  Bottom Layer w7.87: C8A.2@4305.43,1574.83 C8A.2@4314.98,1565.28
  Bottom Layer w19.68: v1(4261.8,1574.83) C8A.2@4305.43,1574.83 ; C8A.2@4314.99,1557.4 ccw(c4314.95,1581.99) 4338.7,1575.63 ; C8A.2@4324.86,1584.46 cw(c4348.71,1595.12) 4328.95,1612.2 ; C8A.2@4325.04,1562.27 ccw(c4358.04,1549.16) 4329.18,1528.48 ; L2A.1@4336.17,1501.96 C6A.1@4336.17,1640.46 ; 4329.04,1525.17 ccw(c4351.98,1531.32) L2A.1@4340.1,1510.75 ; 4329.04,1525.17 ccw(c4351.98,1531.32) L2A.1@4340.1,1510.75 ; 4329.04,1525.17 ccw(c4351.98,1531.32) L2A.1@4340.1,1510.75 ; 4336.17,1522.94 ccw(c4355.17,1522.94) 4341.73,1509.5 cw(c4355.17,1522.94) 4336.17,1522.94 ; 4336.17,1522.94 cw(c4317.16,1522.94) 4330.6,1509.5 ccw(c4317.16,1522.94) 4336.17,1522.94 ; C6A.1@4336.17,1640.46 cw(c4273.97,1640.46) 4308.9,1589 ccw(c4273.97,1640.46) C6A.1@4336.17,1640.46 ; 4284.79,1574.83 cw(c4284.79,1542.96) 4307.32,1565.49 ccw(c4284.79,1542.96) 4284.79,1574.83 ; 4292.89,1574.83 ccw(c4292.89,1595.24) 4307.32,1580.81 cw(c4292.89,1595.24) 4292.89,1574.83 ; C8A.2@4308.11,1557.89 cw(c4259.41,1498.56) 4336.17,1498.56 ccw(c4259.41,1498.56) C8A.2@4308.11,1557.89 ; C8A.2@4319.95,1572.71 ccw(c4299.18,1603.31) 4336.17,1603.31 cw(c4299.18,1603.31) C8A.2@4319.95,1572.71 ; C8A.2@4320.6,1573.11 cw(c4293.58,1540.19) 4336.17,1540.19 ccw(c4293.58,1540.19) C8A.2@4320.6,1573.11 ; C6A.1@4324.39,1634.2 cw(c4295.96,1605.77) 4336.17,1605.77 ccw(c4295.96,1605.77) C6A.1@4324.39,1634.2 ; C8A.2@4331.01,1556.42 ccw(c4324.4,1566.16) 4336.17,1566.16 cw(c4324.4,1566.16) C8A.2@4331.01,1556.42 ; C8A.2@4333.09,1588.32 cw(c4327.74,1581.81) 4336.17,1581.81 ccw(c4327.74,1581.81) C8A.2@4333.09,1588.32
NetC6B_1: C6B.1 C8B.2 J8B.15 L2B.1 | length 1175.2
  Top Layer w19.68: J8B.15@5815.39,1642.87 5815.39,1584.35 v1(5831.13,1568.61) v1@5836.13,1568.61
  Bottom Layer w19.68: v1(5831.13,1568.61) C8B.2@5880.61,1568.61 ; C8B.2@5873.66,1594.46 cw(c5875.77,1570.04) 5899.44,1576.38 ; C8B.2@5875.11,1594.46 cw(c5872.92,1566.33) 5900.18,1573.63 ; C8B.2@5884.48,1589.64 cw(c5905.08,1597.85) 5890.09,1614.19 ; C8B.2@5884.71,1568.45 ccw(c5923.74,1555.56) 5890.29,1531.65 ; L2B.1@5897.62,1503.61 C6B.1@5897.62,1641.73 ; v1@5833.09,1572.02 ccw(c5841.98,1587.41) 5846.58,1570.25 ; v1@5833.09,1572.02 ccw(c5841.98,1587.41) 5846.58,1570.25 ; v1@5833.09,1572.02 ccw(c5841.98,1587.41) 5846.58,1570.25 ; 5890.31,1527.06 ccw(c5913.63,1533.3) L2B.1@5901.56,1512.4 ; 5890.31,1527.06 ccw(c5913.63,1533.3) L2B.1@5901.56,1512.4 ; 5890.31,1527.06 ccw(c5913.63,1533.3) L2B.1@5901.56,1512.4 ; 5897.62,1524.59 ccw(c5916.63,1524.59) 5903.19,1511.15 cw(c5916.63,1524.59) 5897.62,1524.59 ; 5897.62,1524.59 cw(c5878.61,1524.59) 5892.05,1511.15 ccw(c5878.61,1524.59) 5897.62,1524.59 ; C6B.1@5897.62,1641.73 cw(c5845.19,1641.73) 5869.42,1595.23 ccw(c5845.19,1641.73) C6B.1@5897.62,1641.73 ; v1@5840.47,1568.61 ccw(c5840.47,1605.8) 5866.77,1579.51 cw(c5840.47,1605.8) v1@5840.47,1568.61 ; C8B.2@5867.54,1563.49 cw(c5815.11,1499.78) 5897.62,1499.78 ccw(c5815.11,1499.78) C8B.2@5867.54,1563.49 ; C8B.2@5878.52,1577.77 ccw(c5862.1,1609.27) 5897.62,1609.27 cw(c5862.1,1609.27) C8B.2@5878.52,1577.77 ; C8B.2@5880.05,1578.69 cw(c5849.43,1541.48) 5897.62,1541.48 ccw(c5849.43,1541.48) C8B.2@5880.05,1578.69 ; C6B.1@5885.85,1635.85 cw(c5857.42,1607.43) 5897.62,1607.43 ccw(c5857.42,1607.43) C6B.1@5885.85,1635.85 ; C8B.2@5887.62,1560.32 ccw(c5879.02,1576.81) 5897.62,1576.81 cw(c5879.02,1576.81) C8B.2@5887.62,1560.32 ; C8B.2@5892.56,1593.89 cw(c5883.75,1583.18) 5897.62,1583.18 ccw(c5883.75,1583.18) C8B.2@5892.56,1593.89